# KiCad board F02-Func-Decoder-p.kicad_pcb (continued)
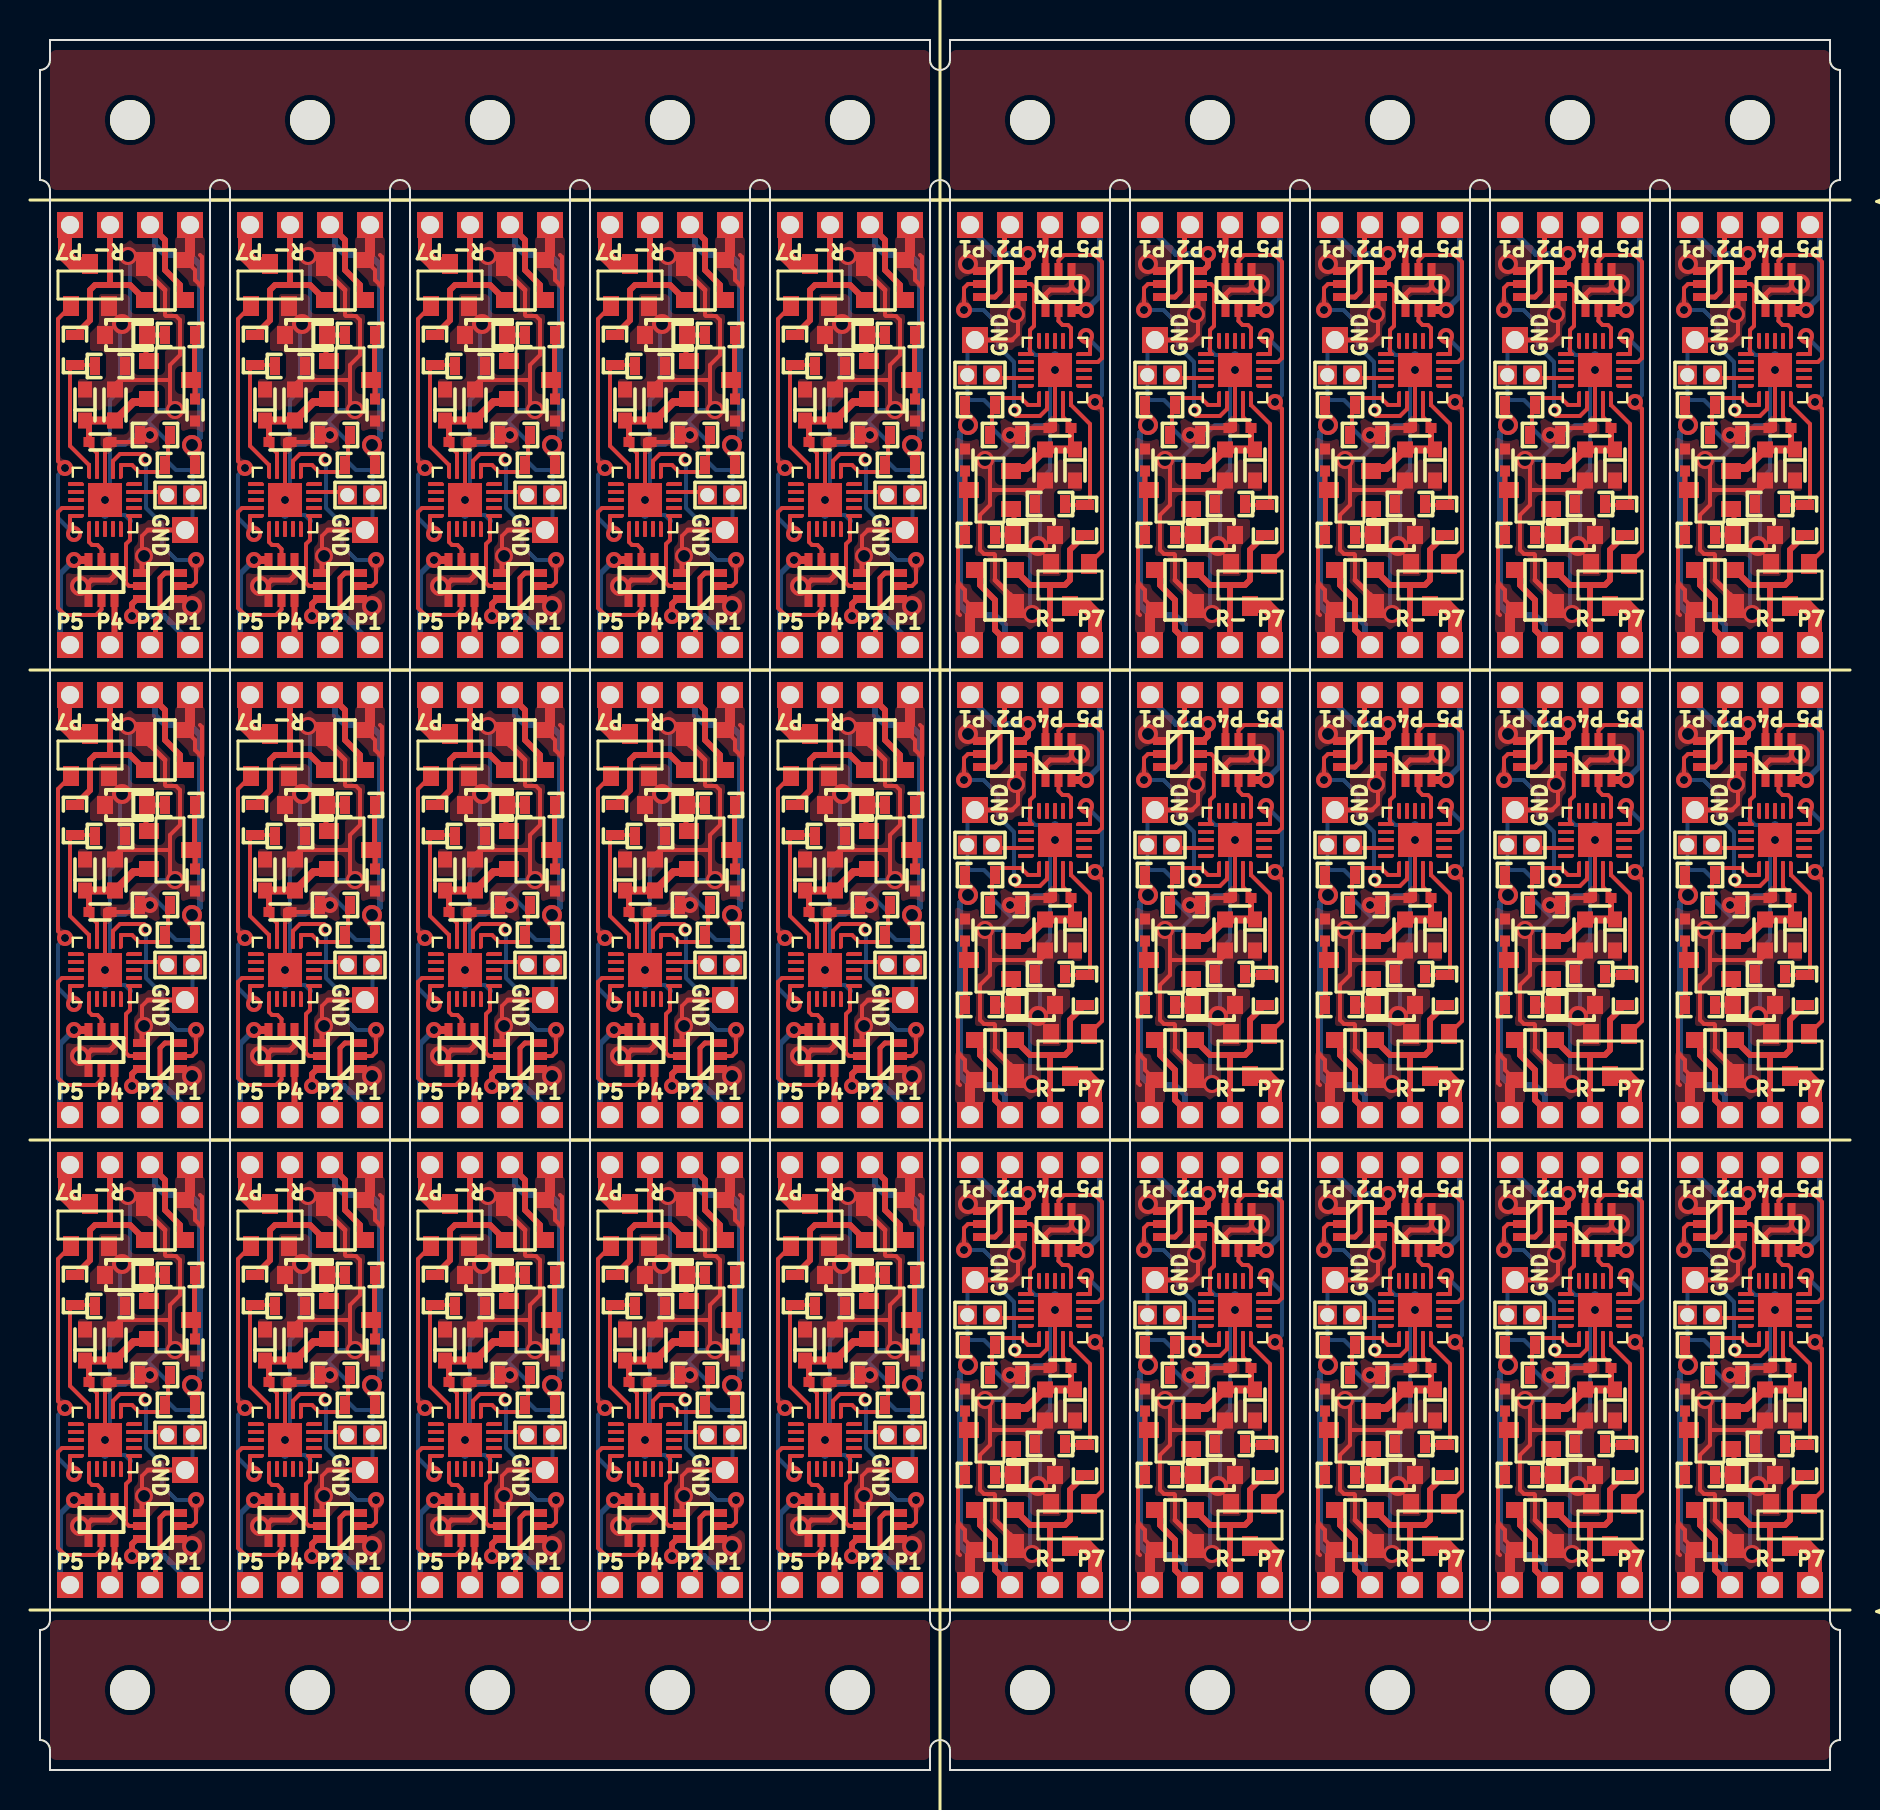
[diagram p0: board, top side]
## Routing (per net, layer and track width the routed paths; a pad name or vN(x,y) marks a point on that pad's centre or on a via; arc(x,y) is an arc through that point) (continued)
(no net): length 670.8
  Top w0.2: 76.15,27.95 Q6#2.6 ; 85.15,27.95 Q2.6 ; v1(31.6,34.2) 31.7,34.2 ; 13.85,58.55 Q6.6 ; 85.15,74.95 Q42.6 ; v1(49.4,52.3) 49.3,52.3 ; v1(49.4,28.8) 49.3,28.8 ; v1(22.6,10.7) 22.7,10.7 ; v1(40.6,10.7) 40.7,10.7 ; v1(58.4,28.8) 58.3,28.8 ; 13.85,35.05 Q26.6 ; v1(13.6,57.7) 13.7,57.7 ; 31.85,11.55 Q54#2.6 ; v1(58.4,75.8) 58.3,75.8 ; v1(67.4,28.8) 67.3,28.8 ; v1(85.4,28.8) 85.3,28.8 ; 22.85,35.05 Q30#2.6 ; v1(76.4,75.8) 76.3,75.8 ; 31.85,35.05 Q34#2.6 ; v1(76.4,28.8) 76.3,28.8 ; v1(49.4,75.8) 49.3,75.8 ; 49.15,74.95 Q58#2.6 ; v1(76.4,52.3) 76.3,52.3 ; 4.85,58.55 Q2#2.6 ; 4.85,35.05 Q22.6 ; v1(67.4,75.8) 67.3,75.8 ; 40.85,35.05 Q38.6 ; 58.15,27.95 Q14.6 ; v1(31.6,10.7) 31.7,10.7 ; 76.15,51.45 Q26#2.6 ; 76.15,74.95 Q46#2.6 ; 58.15,51.45 Q34.6 ; 31.85,58.55 Q14#2.6 ; v1(22.6,34.2) 22.7,34.2 ; 13.85,11.55 Q46.6 ; 58.15,74.95 Q54.6 ; v1(13.6,10.7) 13.7,10.7 ; v1(4.6,10.7) 4.7,10.7 ; 67.15,74.95 Q50#2.6 ; v1(4.6,57.7) 4.7,57.7 ; v1(40.6,34.2) 40.7,34.2 ; v1(67.4,52.3) 67.3,52.3 ; v1(31.6,57.7) 31.7,57.7 ; 4.85,11.55 Q42#2.6 ; v1(58.4,52.3) 58.3,52.3 ; 49.15,27.95 Q18.6 ; 67.15,27.95 Q10.6 ; 40.85,58.55 Q18#2.6 ; 22.85,58.55 Q10#2.6 ; 49.15,51.45 Q38#2.6 ; v1(40.6,57.7) 40.7,57.7 ; 40.85,11.55 Q58.6 ; v1(13.6,34.2) 13.7,34.2 ; 22.85,11.55 Q50.6 ; 85.15,51.45 Q22#2.6 ; v1(22.6,57.7) 22.7,57.7 ; v1(85.4,75.8) 85.3,75.8 ; v1(85.4,52.3) 85.3,52.3 ; v1(4.6,34.2) 4.7,34.2 ; 67.15,51.45 Q30.6
  Top w0.25: J17#2.1 59.85,29.9 ; 80,53.25 J35#2.1 ; 37,33.25 J50.1 ; J73.1 48.22,76.97 48.22,76.03 48,75.8 48,73.9 47.75,73.65 Q58#2.3 ; J27.1 86.85,53.4 ; Q46.3 15.25,12.85 15,12.6 15,10.7 14.78,10.47 14.78,9.53 J58#2.1 ; J17.1 30.15,56.6 ; J22#2.1 39.15,56.6 ; J38#2.1 23.78,33.03 23.78,33.97 24,34.2 24,36.1 24.25,36.35 Q30#2.3 ; Q18.3 47.75,26.65 48,26.9 48,28.8 48.22,29.03 48.22,29.97 J23.1 ; J62.1 68.85,76.9 ; 37,56.75 J25#2.1 ; Q2#2.3 6.25,59.85 6,59.6 6,57.7 5.78,57.47 5.78,56.53 J3#2.1 ; Q50#2.3 65.75,73.65 66,73.9 66,75.8 66.22,76.03 66.22,76.97 J63.1 ; J7#2.1 77.85,29.9 ; J68.1 57.22,76.97 57.22,76.03 57,75.8 57,73.9 56.75,73.65 Q54.3 ; J28#2.1 5.78,33.03 5.78,33.97 6,34.2 6,36.1 6.25,36.35 Q22.3 ; Q30.3 65.75,50.15 66,50.4 66,52.3 66.22,52.53 66.22,53.47 J38.1 ; 53,29.75 J25.1 ; 10,33.25 J35.1 ; J2#2.1 3.15,56.6 ; Q54#2.3 33.25,12.85 33,12.6 33,10.7 32.78,10.47 32.78,9.53 J68#2.1 ; Q18#2.3 42.25,59.85 42,59.6 42,57.7 41.78,57.47 41.78,56.53 J23#2.1 ; Q58.3 42.25,12.85 42,12.6 42,10.7 41.78,10.47 41.78,9.53 J73#2.1 ; J57#2.1 77.85,76.9 ; 10,56.75 J10#2.1 ; J42.1 30.15,33.1 ; J43#2.1 57.22,53.47 57.22,52.53 57,52.3 57,50.4 56.75,50.15 Q34.3 ; Q50.3 24.25,12.85 24,12.6 24,10.7 23.78,10.47 23.78,9.53 J63#2.1 ; J52.1 3.15,9.6 ; Q38.3 42.25,36.35 42,36.1 42,34.2 41.78,33.97 41.78,33.03 J48#2.1 ; J67#2.1 59.85,76.9 ; Q34#2.3 33.25,36.35 33,36.1 33,34.2 32.78,33.97 32.78,33.03 J43.1 ; J18#2.1 57.22,29.97 57.22,29.03 57,28.8 57,26.9 56.75,26.65 Q14.3 ; 80,76.75 J60#2.1 ; J53.1 5.78,9.53 5.78,10.47 6,10.7 6,12.6 6.25,12.85 Q42#2.3 ; 89,29.75 J5.1 ; J47.1 39.15,33.1 ; J2.1 86.85,29.9 ; Q46#2.3 74.75,73.65 75,73.9 75,75.8 75.22,76.03 75.22,76.97 J58.1 ; 28,9.75 J70#2.1 ; J18.1 32.78,56.53 32.78,57.47 33,57.7 33,59.6 33.25,59.85 Q14#2.3 ; 62,53.25 J45.1 ; 37,9.75 J75.1 ; Q26#2.3 74.75,50.15 75,50.4 75,52.3 75.22,52.53 75.22,53.47 J33#2.1 ; J8.1 14.78,56.53 14.78,57.47 15,57.7 15,59.6 15.25,59.85 Q6.3 ; 28,56.75 J20#2.1 ; J13.1 66.22,29.97 66.22,29.03 66,28.8 66,26.9 65.75,26.65 Q10.3 ; 89,76.75 J55#2.1 ; Q2.3 83.75,26.65 84,26.9 84,28.8 84.22,29.03 84.22,29.97 J3.1 ; J22.1 50.85,29.9 ; J72#2.1 39.15,9.6 ; 10,9.75 J60.1 ; J52#2.1 86.85,76.9 ; 53,53.25 J50#2.1 ; Q38#2.3 47.75,50.15 48,50.4 48,52.3 48.22,52.53 48.22,53.47 J48.1 ; 71,29.75 J15.1 ; J12#2.1 21.15,56.6 ; 53,76.75 J75#2.1 ; Q10#2.3 24.25,59.85 24,59.6 24,57.7 23.78,57.47 23.78,56.53 J13#2.1 ; J72.1 50.85,76.9 ; 1,33.25 J30#2.1 ; Q6#2.3 74.75,26.65 75,26.9 75,28.8 75.22,29.03 75.22,29.97 J8#2.1 ; 28,33.25 J45#2.1 ; J33.1 14.78,33.03 14.78,33.97 15,34.2 15,36.1 15.25,36.35 Q26.3 ; J27#2.1 3.15,33.1 ; 71,76.75 J65#2.1 ; J12.1 68.85,29.9 ; 1,56.75 J5#2.1 ; 71,53.25 J40#2.1 ; 62,76.75 J70.1 ; Q22#2.3 83.75,50.15 84,50.4 84,52.3 84.22,52.53 84.22,53.47 J28.1 ; J37#2.1 68.85,53.4 ; 89,53.25 J30.1 ; J57.1 12.15,9.6 ; 1,9.75 J55.1 ; J53#2.1 84.22,76.97 84.22,76.03 84,75.8 84,73.9 83.75,73.65 Q42.3 ; J47#2.1 50.85,53.4 ; 19,9.75 J65.1 ; J32#2.1 12.15,33.1 ; J32.1 77.85,53.4 ; J42#2.1 59.85,53.4 ; 19,56.75 J15#2.1 ; 62,29.75 J20.1 ; J67.1 30.15,9.6 ; J37.1 21.15,33.1 ; J7.1 12.15,56.6 ; 80,29.75 J10.1 ; 19,33.25 J40.1 ; J62#2.1 21.15,9.6
  Top w0.3: J67#2.1 59.28,77.03 Q56#2.6 ; J67#2.1 59.47,77.22 ; J67#2.1 59.1,76.85 ; 76.15,27.95 76.4,28.2 v1(76.4,28.8) ; 49.15,27.95 49.4,28.2 v1(49.4,28.8) ; 10.25,77.25 10.5,77.5 ; Q56.6 30.72,9.47 J67.1 ; v1(85.4,52.3) 85.4,51.7 85.15,51.45 ; 86.47,30.22 J2.1 ; J2.1 86.1,29.85 ; J2.1 86.28,30.03 Q4#2.6 ; Q32.6 21.72,32.97 J37.1 ; v1(67.4,52.3) 67.4,51.7 67.15,51.45 ; 21.9,33.15 J37.1 ; J37.1 21.53,32.78 ; 3.9,33.15 J27#2.1 ; J27#2.1 3.72,32.97 3.72,35.05 ; J27#2.1 3.53,32.78 ; 58.15,51.45 58.4,51.7 v1(58.4,52.3) ; v1(49.4,52.3) 49.4,51.7 49.15,51.45 ; 52.75,9.25 52.5,9 ; J27.1 86.28,53.53 Q24#2.6 ; J27.1 86.1,53.35 ; J27.1 86.47,53.72 ; 19.25,30.25 19.5,30.5 ; v1(31.6,10.7) 31.6,11.3 31.85,11.55 ; 40.85,58.55 40.6,58.3 v1(40.6,57.7) ; v1(22.6,10.7) 22.6,11.3 22.85,11.55 ; J47#2.1 50.28,53.53 Q40#2.6 ; J47#2.1 50.1,53.35 ; J47#2.1 50.47,53.72 ; v1(85.4,75.8) 85.4,75.2 85.15,74.95 ; v1(58.4,28.8) 58.4,28.2 58.15,27.95 ; 13.85,35.05 13.6,34.8 v1(13.6,34.2) ; 39.53,32.78 J47.1 ; J47.1 39.9,33.15 ; J47.1 39.72,32.97 Q40.6 ; 68.1,53.35 J37#2.1 ; J37#2.1 68.47,53.72 ; J37#2.1 68.28,53.53 Q32#2.6 ; Q16#2.6 30.72,56.47 J17.1 ; 37.25,30.25 37.5,30.5 ; 4.85,11.55 4.6,11.3 v1(4.6,10.7) ; Q52.6 68.28,77.03 J62.1 ; 88.75,32.75 88.5,32.5 ; v1(4.6,34.2) 4.6,34.8 4.85,35.05 ; 31.85,58.55 31.6,58.3 v1(31.6,57.7) ; J42.1 30.72,32.97 Q36.6 ; J42.1 30.9,33.15 ; J42.1 30.53,32.78 ; 21.53,9.28 J62#2.1 ; J62#2.1 21.72,9.47 Q52#2.6 ; J62#2.1 21.9,9.65 ; 3.9,56.65 J2#2.1 ; J2#2.1 3.72,56.47 3.72,58.55 ; J2#2.1 3.53,56.28 ; 30.9,9.65 J67.1 ; J67.1 30.53,9.28 ; 77.47,53.72 J32.1 ; J32.1 77.1,53.35 ; J32.1 77.28,53.53 Q28.6 ; Q20#2.6 50.28,30.03 J22.1 ; v1(22.6,34.2) 22.6,34.8 22.85,35.05 ; J12#2.1 21.72,56.47 Q12#2.6 ; J12#2.1 21.9,56.65 ; J12#2.1 21.53,56.28 ; 12.72,35.05 12.72,32.97 J32#2.1 ; 68.47,30.22 J12.1 ; J12.1 68.28,30.03 Q12.6 ; J12.1 68.1,29.85 ; J32#2.1 12.9,33.15 ; J32#2.1 12.53,32.78 ; 30.53,56.28 J17.1 ; J17.1 30.9,56.65 ; 3.9,9.65 J52.1 ; J52.1 3.72,9.47 3.72,11.55 ; J52.1 3.53,9.28 ; 40.85,11.55 40.6,11.3 v1(40.6,10.7) ; 79.75,9.25 79.5,9 ; 28.25,30.25 28.5,30.5 ; 37.25,77.25 37.5,77.5 ; v1(76.4,52.3) 76.4,51.7 76.15,51.45 ; J72.1 50.28,77.03 Q60.6 ; J72.1 50.1,76.85 ; J72.1 50.47,77.22 ; 12.53,56.28 J7.1 ; J7.1 12.9,56.65 ; J7.1 12.72,56.47 12.72,58.55 ; 39.9,9.65 J72#2.1 ; J72#2.1 39.53,9.28 ; J72#2.1 39.72,9.47 Q60#2.6 ; 39.9,56.65 J22#2.1 ; J22#2.1 39.72,56.47 Q20.6 ; J22#2.1 39.53,56.28 ; v1(58.4,75.8) 58.4,75.2 58.15,74.95 ; v1(49.4,75.8) 49.4,75.2 49.15,74.95 ; v1(67.4,28.8) 67.4,28.2 67.15,27.95 ; 28.25,77.25 28.5,77.5 ; Q48#2.6 77.28,77.03 J57#2.1 ; 61.75,56.25 61.5,56 ; 13.85,11.55 13.6,11.3 v1(13.6,10.7) ; 68.47,77.22 J62.1 ; J62.1 68.1,76.85 ; 12.53,9.28 J57.1 ; J57.1 12.72,9.47 12.72,11.55 ; J57.1 12.9,9.65 ; 79.75,56.25 79.5,56 ; 86.1,76.85 J52#2.1 ; J52#2.1 86.28,77.03 Q44#2.6 ; J52#2.1 86.47,77.22 ; 88.75,9.25 88.5,9 ; 1.25,30.25 1.5,30.5 ; 37.25,53.75 37.5,54 ; J7#2.1 77.28,30.03 Q8#2.6 ; J7#2.1 77.1,29.85 ; J7#2.1 77.47,30.22 ; 70.75,9.25 70.5,9 ; v1(31.6,34.2) 31.6,34.8 31.85,35.05 ; 70.75,32.75 70.5,32.5 ; v1(22.6,57.7) 22.6,58.3 22.85,58.55 ; 19.25,53.75 19.5,54 ; v1(13.6,57.7) 13.6,58.3 13.85,58.55 ; 10.25,53.75 10.5,54 ; 79.75,32.75 79.5,32.5 ; 1.25,53.75 1.5,54 ; 52.75,32.75 52.5,32.5 ; 10.25,30.25 10.5,30.5 ; 67.15,74.95 67.4,75.2 v1(67.4,75.8) ; 28.25,53.75 28.5,54 ; 76.15,74.95 76.4,75.2 v1(76.4,75.8) ; 59.1,53.35 J42#2.1 ; J42#2.1 59.47,53.72 ; J42#2.1 59.28,53.53 Q36#2.6 ; 77.47,77.22 J57#2.1 ; J57#2.1 77.1,76.85 ; v1(40.6,34.2) 40.6,34.8 40.85,35.05 ; v1(4.6,57.7) 4.6,58.3 4.85,58.55 ; 85.15,27.95 85.4,28.2 v1(85.4,28.8) ; 61.75,32.75 61.5,32.5 ; 61.75,9.25 61.5,9 ; 88.75,56.25 88.5,56 ; J17#2.1 59.28,30.03 Q16.6 ; J17#2.1 59.47,30.22 ; J17#2.1 59.1,29.85 ; J22.1 50.47,30.22 ; J22.1 50.1,29.85 ; 70.75,56.25 70.5,56 ; 1.25,77.25 1.5,77.5 ; 52.75,56.25 52.5,56 ; 19.25,77.25 19.5,77.5
  Top w0.4: v1(88.3,26) 87.62,26 ; v1(79.3,73) 78.62,73 ; v1(28.7,37) 29.38,37 ; v1(28.7,60.5) 29.38,60.5 ; v1(10.7,37) 11.38,37 ; v1(19.7,60.5) 20.38,60.5 ; v1(61.3,73) 60.62,73 ; v1(52.3,49.5) 51.62,49.5 ; v1(52.3,26) 51.62,26 ; v1(28.7,13.5) 29.38,13.5 ; v1(37.7,37) 38.38,37 ; v1(70.3,26) 69.62,26 ; v1(88.3,49.5) 87.62,49.5 ; v1(1.7,13.5) 2.38,13.5 ; v1(19.7,37) 20.38,37 ; v1(88.3,73) 87.62,73 ; v1(61.3,49.5) 60.62,49.5 ; v1(79.3,49.5) 78.62,49.5 ; v1(37.7,13.5) 38.38,13.5 ; v1(19.7,13.5) 20.38,13.5 ; v1(79.3,26) 78.62,26 ; v1(1.7,60.5) 2.38,60.5 ; v1(10.7,60.5) 11.38,60.5 ; v1(61.3,26) 60.62,26 ; v1(70.3,49.5) 69.62,49.5 ; v1(1.7,37) 2.38,37 ; v1(52.3,73) 51.62,73 ; v1(10.7,13.5) 11.38,13.5 ; v1(70.3,73) 69.62,73 ; v1(37.7,60.5) 38.38,60.5
  Top w0.7: Q19#2.3 37.7,75.3 37.25,75.75 37.25,77.25 ; Q19.3 52.3,11.2 52.75,10.75 52.75,9.25 ; Q3.3 88.3,11.2 88.75,10.75 88.75,9.25 ; 52.75,56.25 52.75,57.75 52.3,58.2 Q59#2.3 ; Q47.3 79.3,58.2 79.75,57.75 79.75,56.25 ; 61.75,9.25 61.75,10.75 61.3,11.2 Q15#2.3 ; Q27#2.3 79.3,34.7 79.75,34.25 79.75,32.75 ; 19.25,30.25 19.25,28.75 19.7,28.3 Q51#2.3 ; 79.75,9.25 79.75,10.75 79.3,11.2 Q7#2.3 ; Q43.3 88.3,58.2 88.75,57.75 88.75,56.25 ; 52.75,32.75 52.75,34.25 52.3,34.7 Q39#2.3 ; 70.75,56.25 70.75,57.75 70.3,58.2 Q51.3 ; 1.25,30.25 1.25,28.75 1.7,28.3 Q43#2.3 ; Q11.3 19.7,75.3 19.25,75.75 19.25,77.25 ; Q15.3 28.7,75.3 28.25,75.75 28.25,77.25 ; 37.25,53.75 37.25,52.25 37.7,51.8 Q39.3 ; Q55#2.3 61.3,58.2 61.75,57.75 61.75,56.25 ; 10.25,30.25 10.25,28.75 10.7,28.3 Q47#2.3 ; Q55.3 28.7,28.3 28.25,28.75 28.25,30.25 ; 88.75,32.75 88.75,34.25 88.3,34.7 Q23#2.3 ; Q7.3 10.7,75.3 10.25,75.75 10.25,77.25 ; Q11#2.3 70.3,11.2 70.75,10.75 70.75,9.25 ; 1.25,53.75 1.25,52.25 1.7,51.8 Q23.3 ; 1.25,77.25 1.25,75.75 1.7,75.3 Q3#2.3 ; 19.25,53.75 19.25,52.25 19.7,51.8 Q31.3 ; 61.75,32.75 61.75,34.25 61.3,34.7 Q35.3 ; 70.75,32.75 70.75,34.25 70.3,34.7 Q31#2.3 ; 37.25,30.25 37.25,28.75 37.7,28.3 Q59.3 ; 10.25,53.75 10.25,52.25 10.7,51.8 Q27.3 ; Q35#2.3 28.7,51.8 28.25,52.25 28.25,53.75
  Bottom w0.2: 16.5,32.9 J34#2.1 ; 73.5,53.6 J34.1 ; 64.5,30.1 J14.1 ; 82.5,53.6 J29#2.1 ; 7.5,56.4 J4.1 ; 43.5,9.4 J74.1 ; 64.5,77.1 J64#2.1 ; 55.5,30.1 J19.1 ; 46.5,53.6 J49.1 ; 55.5,53.6 J44.1 ; 64.5,53.6 J39.1 ; 16.5,56.4 J9#2.1 ; 25.5,9.4 J64.1 ; 82.5,77.1 J54#2.1 ; 7.5,9.4 J54.1 ; 82.5,30.1 J4#2.1 ; 16.5,9.4 J59.1 ; 46.5,30.1 J24.1 ; 43.5,32.9 J49#2.1 ; 34.5,9.4 J69.1 ; 25.5,32.9 J39#2.1 ; 25.5,56.4 J14#2.1 ; 73.5,77.1 J59#2.1 ; 34.5,56.4 J19#2.1 ; 7.5,32.9 J29.1 ; 34.5,32.9 J44#2.1 ; 55.5,77.1 J69#2.1 ; 73.5,30.1 J9.1 ; 46.5,77.1 J74#2.1 ; 43.5,56.4 J24#2.1
  Bottom w0.25: 1,56.75 J5#2.1 ; 71,53.25 J40#2.1 ; 89,53.25 J30.1 ; 80,76.75 J60#2.1 ; 89,76.75 J55#2.1 ; 89,29.75 J5.1 ; 28,56.75 J20#2.1 ; 37,56.75 J25#2.1 ; 62,53.25 J45.1 ; 62,76.75 J70.1 ; 10,9.75 J60.1 ; 19,33.25 J40.1 ; 53,53.25 J50#2.1 ; 19,9.75 J65.1 ; 80,53.25 J35#2.1 ; 28,9.75 J70#2.1 ; 37,9.75 J75.1 ; 62,29.75 J20.1 ; 10,56.75 J10#2.1 ; 71,29.75 J15.1 ; 19,56.75 J15#2.1 ; 10,33.25 J35.1 ; 28,33.25 J45#2.1 ; 1,9.75 J55.1 ; 80,29.75 J10.1 ; 53,29.75 J25.1 ; 1,33.25 J30#2.1 ; 53,76.75 J75#2.1 ; 37,33.25 J50.1 ; 71,76.75 J65#2.1
  Bottom w0.3: 34.5,9.4 33.2,10.7 v1(31.6,10.7) ; v1(37.7,13.5) 37,12.8 37,9.75 ; v1(37.7,60.5) 37,59.8 37,56.75 ; 62,29.75 62,26.7 v1(61.3,26) ; 19,33.25 19,36.3 v1(19.7,37) ; v1(1.7,37) 1,36.3 1,33.25 ; 89,76.75 89,73.7 v1(88.3,73) ; v1(52.3,49.5) 53,50.2 53,53.25 ; 82.5,30.1 83.8,28.8 v1(85.4,28.8) ; 25.5,32.9 24.2,34.2 v1(22.6,34.2) ; v1(49.4,75.8) 47.8,75.8 46.5,77.1 ; v1(4.6,10.7) 6.2,10.7 7.5,9.4 ; 80,53.25 80,50.2 v1(79.3,49.5) ; v1(13.6,10.7) 15.2,10.7 16.5,9.4 ; v1(19.7,13.5) 19,12.8 19,9.75 ; v1(49.4,52.3) 47.8,52.3 46.5,53.6 ; v1(22.6,57.7) 24.2,57.7 25.5,56.4 ; 55.5,77.1 56.8,75.8 v1(58.4,75.8) ; 10,56.75 10,59.8 v1(10.7,60.5) ; 80,29.75 80,26.7 v1(79.3,26) ; 73.5,53.6 74.8,52.3 v1(76.4,52.3) ; v1(52.3,26) 53,26.7 53,29.75 ; 43.5,56.4 42.2,57.7 v1(40.6,57.7) ; v1(28.7,13.5) 28,12.8 28,9.75 ; v1(1.7,13.5) 1,12.8 1,9.75 ; 82.5,77.1 83.8,75.8 v1(85.4,75.8) ; v1(67.4,52.3) 65.8,52.3 64.5,53.6 ; v1(4.6,34.2) 6.2,34.2 7.5,32.9 ; v1(22.6,10.7) 24.2,10.7 25.5,9.4 ; v1(40.6,34.2) 42.2,34.2 43.5,32.9 ; v1(88.3,26) 89,26.7 89,29.75 ; v1(19.7,60.5) 19,59.8 19,56.75 ; v1(52.3,73) 53,73.7 53,76.75 ; 80,76.75 80,73.7 v1(79.3,73) ; 16.5,32.9 15.2,34.2 v1(13.6,34.2) ; 55.5,30.1 56.8,28.8 v1(58.4,28.8) ; 89,53.25 89,50.2 v1(88.3,49.5) ; v1(61.3,73) 62,73.7 62,76.75 ; v1(1.7,60.5) 1,59.8 1,56.75 ; 64.5,30.1 65.8,28.8 v1(67.4,28.8) ; v1(28.7,60.5) 28,59.8 28,56.75 ; 64.5,77.1 65.8,75.8 v1(67.4,75.8) ; 34.5,32.9 33.2,34.2 v1(31.6,34.2) ; 37,33.25 37,36.3 v1(37.7,37) ; 10,9.75 10,12.8 v1(10.7,13.5) ; v1(61.3,49.5) 62,50.2 62,53.25 ; 55.5,53.6 56.8,52.3 v1(58.4,52.3) ; 16.5,56.4 15.2,57.7 v1(13.6,57.7) ; 73.5,30.1 74.8,28.8 v1(76.4,28.8) ; v1(4.6,57.7) 6.2,57.7 7.5,56.4 ; v1(70.3,73) 71,73.7 71,76.75 ; 71,53.25 71,50.2 v1(70.3,49.5) ; 43.5,9.4 42.2,10.7 v1(40.6,10.7) ; 10,33.25 10,36.3 v1(10.7,37) ; v1(49.4,28.8) 47.8,28.8 46.5,30.1 ; 28,33.25 28,36.3 v1(28.7,37) ; v1(85.4,52.3) 83.8,52.3 82.5,53.6 ; 34.5,56.4 33.2,57.7 v1(31.6,57.7) ; v1(76.4,75.8) 74.8,75.8 73.5,77.1 ; v1(70.3,26) 71,26.7 71,29.75
Func1: length 335.3
  Top w0.2: U10.2 39.65,41.95 40,42.3 41.2,42.3 41.3,42.2 v4(41.3,42.03) ; U11.2 86.35,68.05 86,67.7 84.8,67.7 84.7,67.8 v4(84.7,67.97) ; Q2#2.2 7.6,59.2 7.8,59.4 v1(7.8,60.5) ; v4(23.3,65.53) 23.3,65.7 23.2,65.8 22,65.8 21.65,65.45 U3#2.2 ; v4(14.3,65.53) 14.3,65.7 14.2,65.8 13,65.8 12.65,65.45 U2#2.2 ; v1(25.8,13.5) 25.8,12.4 25.6,12.2 Q50.2 ; v4(66.7,20.97) 66.7,20.8 66.8,20.7 68,20.7 68.35,21.05 U3.2 ; v4(5.3,65.53) 5.3,65.7 5.2,65.8 4,65.8 3.65,65.45 U1.2 ; v4(23.3,18.53) 23.3,18.7 23.2,18.8 22,18.8 21.65,18.45 U13#2.2 ; v1(46.2,73) 46.2,74.1 46.4,74.3 Q58#2.2 ; U10#2.2 50.35,44.55 50,44.2 48.8,44.2 48.7,44.3 v4(48.7,44.47) ; Q2.2 82.4,27.3 82.2,27.1 v1(82.2,26) ; Q18#2.2 43.6,59.2 43.8,59.4 v1(43.8,60.5) ; v4(57.7,20.97) 57.7,20.8 57.8,20.7 59,20.7 59.35,21.05 U4#2.2 ; U14#2.2 59.35,68.05 59,67.7 57.8,67.7 57.7,67.8 v4(57.7,67.97) ; Q42#2.2 7.6,12.2 7.8,12.4 v1(7.8,13.5) ; Q34.2 55.4,50.8 55.2,50.6 v1(55.2,49.5) ; U4.2 30.65,65.45 31,65.8 32.2,65.8 32.3,65.7 v4(32.3,65.53) ; v4(48.7,20.97) 48.7,20.8 48.8,20.7 50,20.7 50.35,21.05 U5.2 ; v4(57.7,44.47) 57.7,44.3 57.8,44.2 59,44.2 59.35,44.55 U9#2.2 ; Q34#2.2 34.6,35.7 34.8,35.9 v1(34.8,37) ; U15.2 50.35,68.05 50,67.7 48.8,67.7 48.7,67.8 v4(48.7,67.97) ; U2.2 77.35,21.05 77,20.7 75.8,20.7 75.7,20.8 v4(75.7,20.97) ; v1(34.8,13.5) 34.8,12.4 34.6,12.2 Q54#2.2 ; v1(73.2,73) 73.2,74.1 73.4,74.3 Q46#2.2 ; Q22.2 7.6,35.7 7.8,35.9 v1(7.8,37) ; U14.2 30.65,18.45 31,18.8 32.2,18.8 32.3,18.7 v4(32.3,18.53) ; U11#2.2 3.65,18.45 4,18.8 5.2,18.8 5.3,18.7 v4(5.3,18.53) ; Q14.2 55.4,27.3 55.2,27.1 v1(55.2,26) ; Q46.2 16.6,12.2 16.8,12.4 v1(16.8,13.5) ; U1#2.2 86.35,21.05 86,20.7 84.8,20.7 84.7,20.8 v4(84.7,20.97) ; v4(5.3,42.03) 5.3,42.2 5.2,42.3 4,42.3 3.65,41.95 U6#2.2 ; v1(25.8,37) 25.8,35.9 25.6,35.7 Q30#2.2 ; Q14#2.2 34.6,59.2 34.8,59.4 v1(34.8,60.5) ; v1(55.2,73) 55.2,74.1 55.4,74.3 Q54.2 ; Q30.2 64.4,50.8 64.2,50.6 v1(64.2,49.5) ; Q42.2 82.4,74.3 82.2,74.1 v1(82.2,73) ; U12.2 77.35,68.05 77,67.7 75.8,67.7 75.7,67.8 v4(75.7,67.97) ; v1(82.2,49.5) 82.2,50.6 82.4,50.8 Q22#2.2 ; v1(16.8,37) 16.8,35.9 16.6,35.7 Q26.2 ; U8#2.2 21.65,41.95 22,42.3 23.2,42.3 23.3,42.2 v4(23.3,42.03) ; U9.2 30.65,41.95 31,42.3 32.2,42.3 32.3,42.2 v4(32.3,42.03) ; v1(25.8,60.5) 25.8,59.4 25.6,59.2 Q10#2.2 ; v4(14.3,18.53) 14.3,18.7 14.2,18.8 13,18.8 12.65,18.45 U12#2.2 ; U13.2 68.35,68.05 68,67.7 66.8,67.7 66.7,67.8 v4(66.7,67.97) ; U15#2.2 39.65,18.45 40,18.8 41.2,18.8 41.3,18.7 v4(41.3,18.53) ; U6.2 86.35,44.55 86,44.2 84.8,44.2 84.7,44.3 v4(84.7,44.47) ; v1(73.2,49.5) 73.2,50.6 73.4,50.8 Q26#2.2 ; Q58.2 43.6,12.2 43.8,12.4 v1(43.8,13.5) ; v4(14.3,42.03) 14.3,42.2 14.2,42.3 13,42.3 12.65,41.95 U7.2 ; Q6.2 16.6,59.2 16.8,59.4 v1(16.8,60.5) ; v1(64.2,26) 64.2,27.1 64.4,27.3 Q10.2 ; v1(46.2,49.5) 46.2,50.6 46.4,50.8 Q38#2.2 ; v4(41.3,65.53) 41.3,65.7 41.2,65.8 40,65.8 39.65,65.45 U5#2.2 ; v1(43.8,37) 43.8,35.9 43.6,35.7 Q38.2 ; Q50#2.2 64.4,74.3 64.2,74.1 v1(64.2,73) ; v1(46.2,26) 46.2,27.1 46.4,27.3 Q18.2 ; v4(75.7,44.47) 75.7,44.3 75.8,44.2 77,44.2 77.35,44.55 U7#2.2 ; v4(66.7,44.47) 66.7,44.3 66.8,44.2 68,44.2 68.35,44.55 U8.2 ; Q6#2.2 73.4,27.3 73.2,27.1 v1(73.2,26)
  Bottom w0.2: v1(43.8,37) 42.82,37 42.1,37.72 42.1,38.8 41.3,39.6 v4(41.3,42.03) ; v1(55.2,73) 56.18,73 56.9,72.28 56.9,71.2 57.7,70.4 v4(57.7,67.97) ; v1(64.2,26) 65.18,26 65.9,25.28 65.9,24.2 66.7,23.4 v4(66.7,20.97) ; v4(48.7,44.47) 48.7,46.9 47.9,47.7 47.9,48.78 47.18,49.5 v1(46.2,49.5) ; v4(23.3,65.53) 23.3,63.1 24.1,62.3 24.1,61.22 24.82,60.5 v1(25.8,60.5) ; v4(5.3,42.03) 5.3,39.6 6.1,38.8 6.1,37.72 6.83,37 v1(7.8,37) ; v1(82.2,26) 83.18,26 83.9,25.28 83.9,24.2 84.7,23.4 v4(84.7,20.97) ; v4(75.7,67.97) 75.7,70.4 74.9,71.2 74.9,72.28 74.18,73 v1(73.2,73) ; v4(32.3,18.53) 32.3,16.1 33.1,15.3 33.1,14.22 33.82,13.5 v1(34.8,13.5) ; v4(23.3,42.03) 23.3,39.6 24.1,38.8 24.1,37.72 24.82,37 v1(25.8,37) ; v4(5.3,18.53) 5.3,16.1 6.1,15.3 6.1,14.22 6.83,13.5 v1(7.8,13.5) ; v1(43.8,60.5) 42.82,60.5 42.1,61.22 42.1,62.3 41.3,63.1 v4(41.3,65.53) ; v1(73.2,26) 74.18,26 74.9,25.28 74.9,24.2 75.7,23.4 v4(75.7,20.97) ; v4(57.7,44.47) 57.7,46.9 56.9,47.7 56.9,48.78 56.18,49.5 v1(55.2,49.5) ; v4(48.7,67.97) 48.7,70.4 47.9,71.2 47.9,72.28 47.18,73 v1(46.2,73) ; v4(84.7,67.97) 84.7,70.4 83.9,71.2 83.9,72.28 83.18,73 v1(82.2,73) ; v4(41.3,18.53) 41.3,16.1 42.1,15.3 42.1,14.22 42.82,13.5 v1(43.8,13.5) ; v1(16.8,37) 15.83,37 15.1,37.72 15.1,38.8 14.3,39.6 v4(14.3,42.03) ; v4(5.3,65.53) 5.3,63.1 6.1,62.3 6.1,61.22 6.83,60.5 v1(7.8,60.5) ; v1(16.8,13.5) 15.83,13.5 15.1,14.22 15.1,15.3 14.3,16.1 v4(14.3,18.53) ; v4(48.7,20.97) 48.7,23.4 47.9,24.2 47.9,25.28 47.18,26 v1(46.2,26) ; v4(32.3,65.53) 32.3,63.1 33.1,62.3 33.1,61.22 33.82,60.5 v1(34.8,60.5) ; v4(14.3,65.53) 14.3,63.1 15.1,62.3 15.1,61.22 15.83,60.5 v1(16.8,60.5) ; v1(55.2,26) 56.18,26 56.9,25.28 56.9,24.2 57.7,23.4 v4(57.7,20.97) ; v4(66.7,67.97) 66.7,70.4 65.9,71.2 65.9,72.28 65.18,73 v1(64.2,73) ; v4(32.3,42.03) 32.3,39.6 33.1,38.8 33.1,37.72 33.82,37 v1(34.8,37) ; v4(23.3,18.53) 23.3,16.1 24.1,15.3 24.1,14.22 24.82,13.5 v1(25.8,13.5) ; v1(82.2,49.5) 83.18,49.5 83.9,48.78 83.9,47.7 84.7,46.9 v4(84.7,44.47) ; v1(64.2,49.5) 65.18,49.5 65.9,48.78 65.9,47.7 66.7,46.9 v4(66.7,44.47) ; v1(73.2,49.5) 74.18,49.5 74.9,48.78 74.9,47.7 75.7,46.9 v4(75.7,44.47)
Func2: length 131.8
  Top w0.2: 67.5,23.8 67.5,25 67.7,25.2 67.7,27.15 67.55,27.3 Q10.5 ; U2#2.16 13.55,62.7 ; U6.16 85.45,47.3 ; U7#2.16 76.45,47.3 ; 22.5,39.2 22.5,38 22.3,37.8 22.3,35.85 22.45,35.7 Q30#2.5 ; U3#2.16 22.55,62.7 ; U14.16 31.55,15.7 ; 85.5,47.3 85.5,48.5 85.7,48.7 85.7,50.65 85.55,50.8 Q22#2.5 ; Q58.5 40.45,12.2 40.3,12.35 40.3,14.3 40.5,14.5 40.5,15.7 ; 31.5,62.7 31.5,61.5 31.3,61.3 31.3,59.35 31.45,59.2 Q14#2.5 ; U10.16 40.55,39.2 ; U4#2.16 58.45,23.8 ; 22.5,62.7 22.5,61.5 22.3,61.3 22.3,59.35 22.45,59.2 Q10#2.5 ; Q42.5 85.55,74.3 85.7,74.15 85.7,72.2 85.5,72 85.5,70.8 ; U11.16 85.45,70.8 ; 4.5,39.2 4.5,38 4.3,37.8 4.3,35.85 4.45,35.7 Q22.5 ; 13.5,62.7 13.5,61.5 13.3,61.3 13.3,59.35 13.45,59.2 Q6.5 ; Q54.5 58.55,74.3 58.7,74.15 58.7,72.2 58.5,72 58.5,70.8 ; Q2#2.5 4.45,59.2 4.3,59.35 4.3,61.3 4.5,61.5 4.5,62.7 ; U9#2.16 58.45,47.3 ; U5.16 49.45,23.8 ; Q46#2.5 76.55,74.3 76.7,74.15 76.7,72.2 76.5,72 76.5,70.8 ; 49.5,70.8 49.5,72 49.7,72.2 49.7,74.15 49.55,74.3 Q58#2.5 ; U11#2.16 4.55,15.7 ; U15#2.16 40.55,15.7 ; 85.5,23.8 85.5,25 85.7,25.2 85.7,27.15 85.55,27.3 Q2.5 ; Q34#2.5 31.45,35.7 31.3,35.85 31.3,37.8 31.5,38 31.5,39.2 ; 49.5,23.8 49.5,25 49.7,25.2 49.7,27.15 49.55,27.3 Q18.5 ; Q50#2.5 67.55,74.3 67.7,74.15 67.7,72.2 67.5,72 67.5,70.8 ; 4.5,15.7 4.5,14.5 4.3,14.3 4.3,12.35 4.45,12.2 Q42#2.5 ; U15.16 49.45,70.8 ; U9.16 31.55,39.2 ; Q26#2.5 76.55,50.8 76.7,50.65 76.7,48.7 76.5,48.5 76.5,47.3 ; Q18#2.5 40.45,59.2 40.3,59.35 40.3,61.3 40.5,61.5 40.5,62.7 ; 22.5,15.7 22.5,14.5 22.3,14.3 22.3,12.35 22.45,12.2 Q50.5 ; Q34.5 58.55,50.8 58.7,50.65 58.7,48.7 58.5,48.5 58.5,47.3 ; U3.16 67.45,23.8 ; U12#2.16 13.55,15.7 ; U4.16 31.55,62.7 ; U5#2.16 40.55,62.7 ; U2.16 76.45,23.8 ; 13.5,15.7 13.5,14.5 13.3,14.3 13.3,12.35 13.45,12.2 Q46.5 ; Q54#2.5 31.45,12.2 31.3,12.35 31.3,14.3 31.5,14.5 31.5,15.7 ; U12.16 76.45,70.8 ; Q6#2.5 76.55,27.3 76.7,27.15 76.7,25.2 76.5,25 76.5,23.8 ; Q26.5 13.45,35.7 13.3,35.85 13.3,37.8 13.5,38 13.5,39.2 ; U14#2.16 58.45,70.8 ; U8.16 67.45,47.3 ; 49.5,47.3 49.5,48.5 49.7,48.7 49.7,50.65 49.55,50.8 Q38#2.5 ; U13.16 67.45,70.8 ; U6#2.16 4.55,39.2 ; 40.5,39.2 40.5,38 40.3,37.8 40.3,35.85 40.45,35.7 Q38.5 ; U10#2.16 49.45,47.3 ; U1#2.16 85.45,23.8 ; 58.5,23.8 58.5,25 58.7,25.2 58.7,27.15 58.55,27.3 Q14.5 ; Q30.5 67.55,50.8 67.7,50.65 67.7,48.7 67.5,48.5 67.5,47.3 ; U8#2.16 22.55,39.2 ; U7.16 13.55,39.2 ; U13#2.16 22.55,15.7 ; U1.16 4.55,62.7
Func4: length 60.6
  Top w0.2: Q32.2 21.08,37.55 20.88,37.75 20.6,37.75 20.45,37.9 U8#2.11 ; U13.11 69.55,72.1 69.4,72.25 69.12,72.25 68.93,72.45 Q52.2 ; U7.11 11.45,37.9 11.6,37.75 11.88,37.75 12.08,37.55 Q28#2.2 ; Q60.2 50.93,72.45 51.12,72.25 51.4,72.25 51.55,72.1 U15.11 ; Q20.2 39.07,61.05 38.88,61.25 38.6,61.25 38.45,61.4 U5#2.11 ; Q56.2 30.07,14.05 29.88,14.25 29.6,14.25 29.45,14.4 U14.11 ; U2#2.11 11.45,61.4 11.6,61.25 11.88,61.25 12.08,61.05 Q8.2 ; U9.11 29.45,37.9 29.6,37.75 29.88,37.75 30.07,37.55 Q36.2 ; U10.11 38.45,37.9 38.6,37.75 38.88,37.75 39.07,37.55 Q40.2 ; Q48.2 12.08,14.05 11.88,14.25 11.6,14.25 11.45,14.4 U12#2.11 ; Q24#2.2 86.93,48.95 87.12,48.75 87.4,48.75 87.55,48.6 U6.11 ; Q60#2.2 39.07,14.05 38.88,14.25 38.6,14.25 38.45,14.4 U15#2.11 ; Q56#2.2 59.93,72.45 60.12,72.25 60.4,72.25 60.55,72.1 U14#2.11 ; U1.11 2.45,61.4 2.6,61.25 2.88,61.25 3.08,61.05 Q4.2 ; U2.11 78.55,25.1 78.4,25.25 78.12,25.25 77.93,25.45 Q8#2.2 ; U4.11 29.45,61.4 29.6,61.25 29.88,61.25 30.07,61.05 Q16#2.2 ; U13#2.11 20.45,14.4 20.6,14.25 20.88,14.25 21.08,14.05 Q52#2.2 ; Q12#2.2 21.08,61.05 20.88,61.25 20.6,61.25 20.45,61.4 U3#2.11 ; U11#2.11 2.45,14.4 2.6,14.25 2.88,14.25 3.08,14.05 Q44.2 ; U5.11 51.55,25.1 51.4,25.25 51.12,25.25 50.93,25.45 Q20#2.2 ; Q16.2 59.93,25.45 60.12,25.25 60.4,25.25 60.55,25.1 U4#2.11 ; Q28.2 77.93,48.95 78.12,48.75 78.4,48.75 78.55,48.6 U7#2.11 ; Q24.2 3.08,37.55 2.88,37.75 2.6,37.75 2.45,37.9 U6#2.11 ; Q12.2 68.93,25.45 69.12,25.25 69.4,25.25 69.55,25.1 U3.11 ; U12.11 78.55,72.1 78.4,72.25 78.12,72.25 77.93,72.45 Q48#2.2 ; U1#2.11 87.55,25.1 87.4,25.25 87.12,25.25 86.93,25.45 Q4#2.2 ; U11.11 87.55,72.1 87.4,72.25 87.12,72.25 86.93,72.45 Q44#2.2 ; U8.11 69.55,48.6 69.4,48.75 69.12,48.75 68.93,48.95 Q32#2.2 ; Q36#2.2 59.93,48.95 60.12,48.75 60.4,48.75 60.55,48.6 U9#2.11 ; U10#2.11 51.55,48.6 51.4,48.75 51.12,48.75 50.93,48.95 Q40#2.2
Func5: length 262.3
  Top w0.2: U5.9 52.9,23.4 53.1,23.6 53.1,28.4 52.75,28.75 51.2,28.75 50.93,28.47 Q20#2.5 ; Q60.5 50.93,75.47 51.2,75.75 52.75,75.75 53.1,75.4 53.1,70.6 52.9,70.4 U15.9 ; U9.9 28.1,39.6 27.9,39.4 27.9,34.6 28.25,34.25 29.8,34.25 30.07,34.53 Q36.5 ; U7#2.9 79.9,46.9 80.1,47.1 80.1,51.9 79.75,52.25 78.2,52.25 77.93,51.97 Q28.5 ; U9#2.9 61.9,46.9 62.1,47.1 62.1,51.9 61.75,52.25 60.2,52.25 59.93,51.97 Q36#2.5 ; U13#2.9 19.1,16.1 18.9,15.9 18.9,11.1 19.25,10.75 20.8,10.75 21.08,11.03 Q52#2.5 ; U6.9 88.9,46.9 89.1,47.1 89.1,51.9 88.75,52.25 87.2,52.25 86.93,51.97 Q24#2.5 ; U8.9 70.9,46.9 71.1,47.1 71.1,51.9 70.75,52.25 69.2,52.25 68.93,51.97 Q32#2.5 ; Q24.5 3.08,34.53 2.8,34.25 1.25,34.25 0.9,34.6 0.9,39.4 1.1,39.6 U6#2.9 ; U13.9 70.9,70.4 71.1,70.6 71.1,75.4 70.75,75.75 69.2,75.75 68.93,75.47 Q52.5 ; Q12.5 68.93,28.47 69.2,28.75 70.75,28.75 71.1,28.4 71.1,23.6 70.9,23.4 U3.9 ; U4.9 28.1,63.1 27.9,62.9 27.9,58.1 28.25,57.75 29.8,57.75 30.07,58.03 Q16#2.5 ; U7.9 10.1,39.6 9.9,39.4 9.9,34.6 10.25,34.25 11.8,34.25 12.08,34.53 Q28#2.5 ; U1.9 1.1,63.1 0.9,62.9 0.9,58.1 1.25,57.75 2.8,57.75 3.08,58.03 Q4.5 ; U10#2.9 52.9,46.9 53.1,47.1 53.1,51.9 52.75,52.25 51.2,52.25 50.93,51.97 Q40#2.5 ; U4#2.9 61.9,23.4 62.1,23.6 62.1,28.4 61.75,28.75 60.2,28.75 59.93,28.47 Q16.5 ; Q56.5 30.07,11.03 29.8,10.75 28.25,10.75 27.9,11.1 27.9,15.9 28.1,16.1 U14.9 ; Q40.5 39.07,34.53 38.8,34.25 37.25,34.25 36.9,34.6 36.9,39.4 37.1,39.6 U10.9 ; U1#2.9 88.9,23.4 89.1,23.6 89.1,28.4 88.75,28.75 87.2,28.75 86.93,28.47 Q4#2.5 ; Q60#2.5 39.07,11.03 38.8,10.75 37.25,10.75 36.9,11.1 36.9,15.9 37.1,16.1 U15#2.9 ; U3#2.9 19.1,63.1 18.9,62.9 18.9,58.1 19.25,57.75 20.8,57.75 21.08,58.03 Q12#2.5 ; Q48.5 12.08,11.03 11.8,10.75 10.25,10.75 9.9,11.1 9.9,15.9 10.1,16.1 U12#2.9 ; Q44.5 3.08,11.03 2.8,10.75 1.25,10.75 0.9,11.1 0.9,15.9 1.1,16.1 U11#2.9 ; Q44#2.5 86.93,75.47 87.2,75.75 88.75,75.75 89.1,75.4 89.1,70.6 88.9,70.4 U11.9 ; U2.9 79.9,23.4 80.1,23.6 80.1,28.4 79.75,28.75 78.2,28.75 77.93,28.47 Q8#2.5 ; U12.9 79.9,70.4 80.1,70.6 80.1,75.4 79.75,75.75 78.2,75.75 77.93,75.47 Q48#2.5 ; Q56#2.5 59.93,75.47 60.2,75.75 61.75,75.75 62.1,75.4 62.1,70.6 61.9,70.4 U14#2.9 ; U2#2.9 10.1,63.1 9.9,62.9 9.9,58.1 10.25,57.75 11.8,57.75 12.08,58.03 Q8.5 ; Q32.5 21.08,34.53 20.8,34.25 19.25,34.25 18.9,34.6 18.9,39.4 19.1,39.6 U8#2.9 ; U5#2.9 37.1,63.1 36.9,62.9 36.9,58.1 37.25,57.75 38.8,57.75 39.07,58.03 Q20.5